# Altium PCB Distribution_amp_10Mhz.PcbDoc (part 2 of 2)
Units mm, origin at the board's own origin, x right, y up, seen from the top; angles counter-clockwise.
Board outline 100 x 82.75 mm, 2 copper layers (Top Layer, Bottom Layer), stack 1.671 mm thick; 125 components, 75 nets, 431 pads, 707 vias.
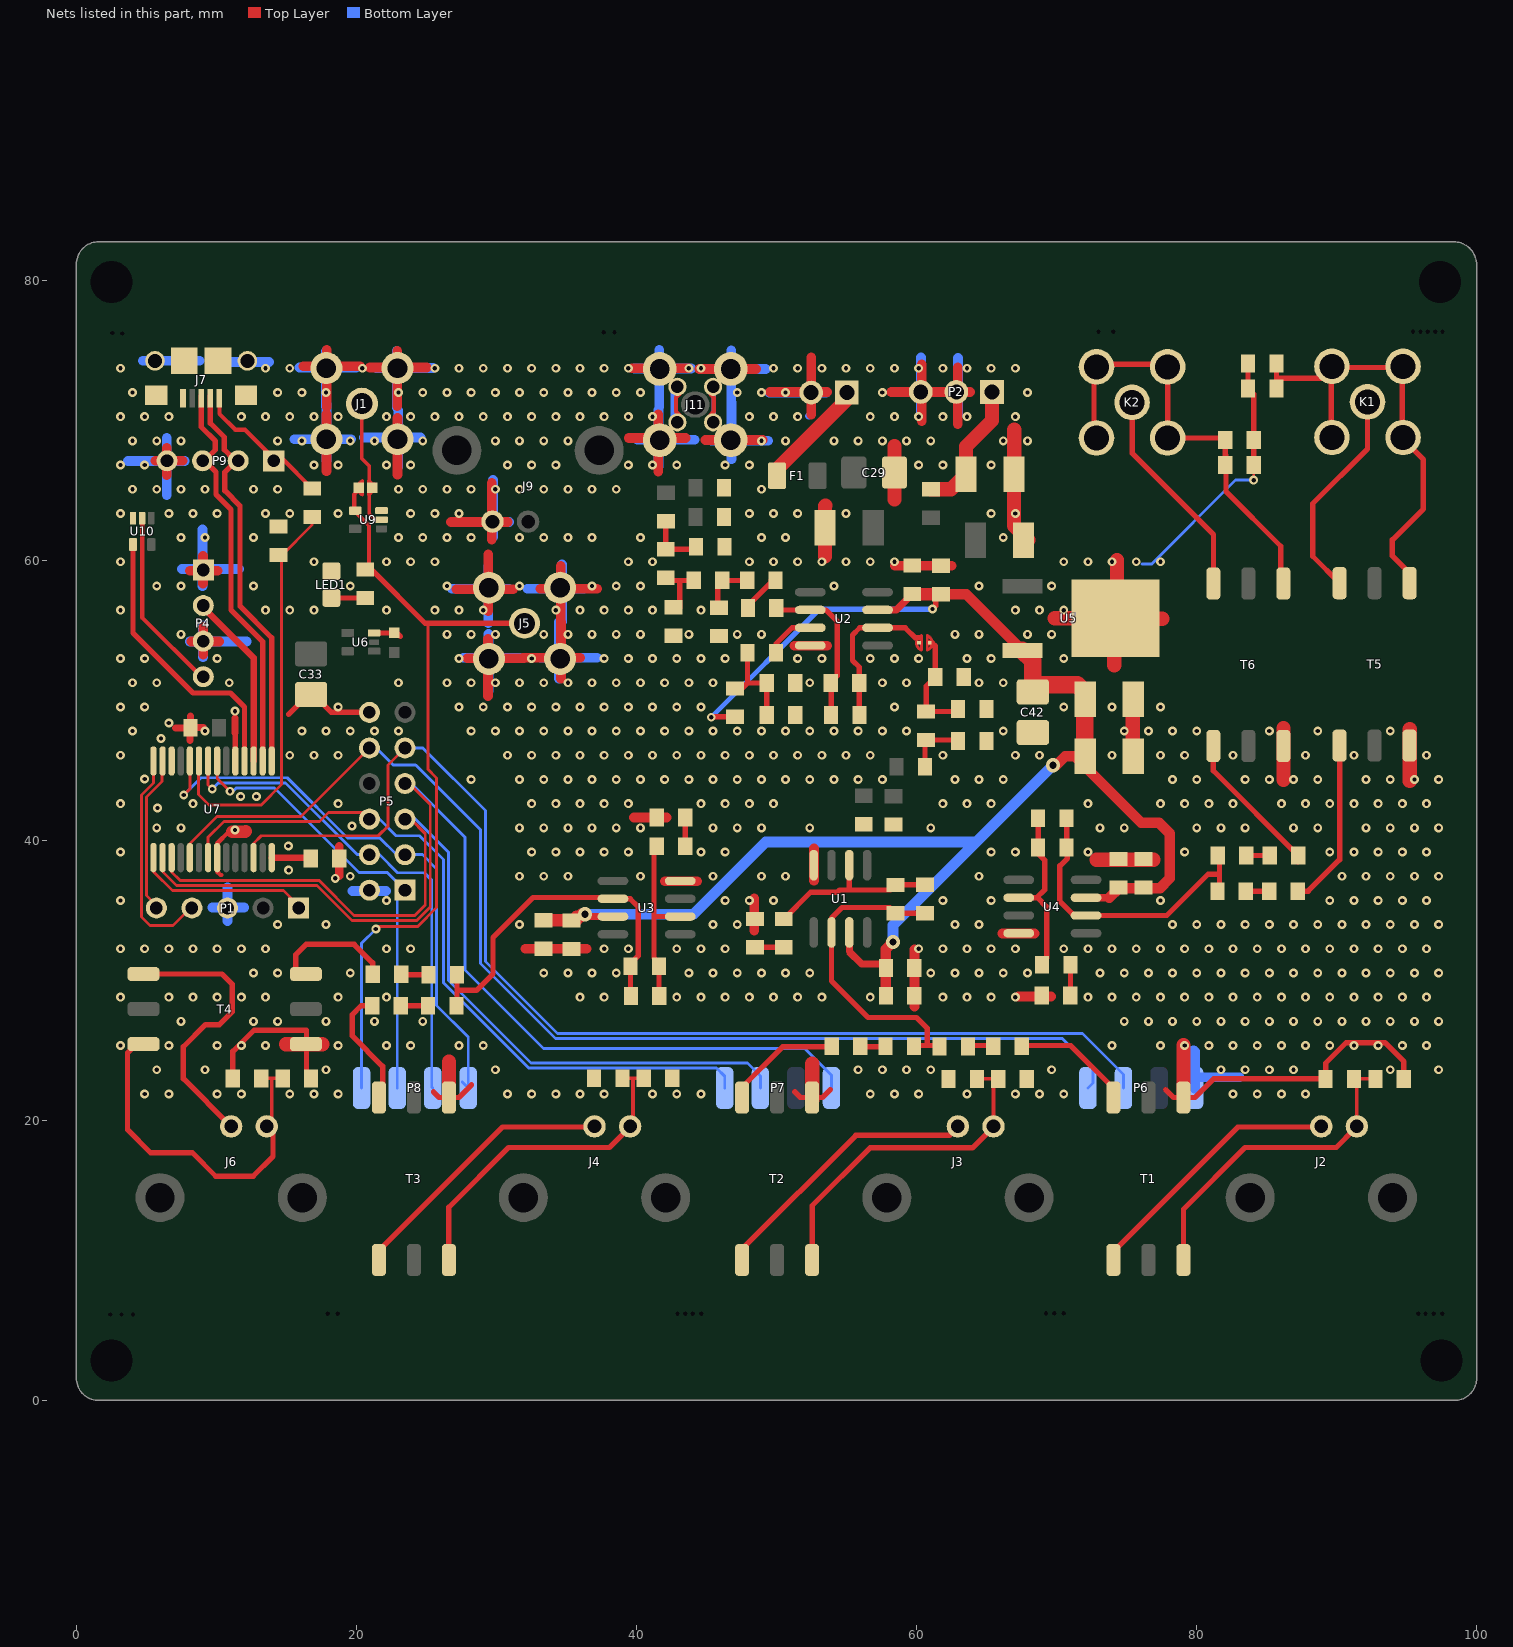
[diagram p2: the nets of this part, all layers, seen from the top]

## Via types
v1: diameter 0.635, hole 0.305, Top Layer to Bottom Layer, tented both sides, 701 vias
v2: diameter 1.016, hole 0.508, Top Layer to Bottom Layer, tented both sides, 4 vias
v3: diameter 0.914, hole 0.457, Top Layer to Bottom Layer, tented both sides, 1 vias
v4: diameter 0.965, hole 0.508, Top Layer to Bottom Layer, tented both sides, 1 vias

## Nets (pads, with @x,y where several pads share a name; then routed paths per layer and width w, separated by ;. In a path a pad name is that pad's centre, name@x,y a point inside that pad or via, vN(x,y) a via of type N, cw(c..) or ccw(c..) an arc to the next point about the centre after c; other vN are vias at no path point) (continued)
GND: C1.2 C2.2 C4.1 C7.2 C8.1 C9.1 C10.2 C12.2 C13.1 C16.2 C17.1 C18.2 C20.2 C21.1 C24.2 C25.1 C28.1 C29.2 C30.2 C31.1 C32.1 C33.2 C34.2 C35.2 C36.2 C37.1 C38.2 C39.2 C40.2 C41.1 C42.2 C43.2 C44.1 C45.1 C46.1 C47.1 J1.2 J1.3 J1.4 J1.5 J5.2 J5.3 J5.4 J5.5 J7.5 J7.6 J7.7 J7.8 J7.9 J9.2 J11.2 J11.3 J11.4 J11.5 LED1.K P1.3 P2.2 P2.3 P3.2 P4.1 P4.3 P5.2 P5.12 P6.4 P9.4 pad.0@42.926,72.39 pad.1@45.466,72.39 pad.2@45.466,69.85 pad.3@42.926,69.85 R2.1 R6.1 R7.1 R9.1 R13.1 R15.1 R19.1 R24.1 R26.1 R27.1 R28.1 T1.1 T2.1 T3.1 T4.1 T5.3 T6.3 U1.4 U2.4 U3.4 U4.4 U5.4 U6.3 U7.8 U7.19 U9.3 U10.3 | length 471.9
  Top Layer w0.203: v1(84.074,65.724) R19.1@84.078,66.806
  Top Layer w0.305: 7.061,48.071 7.097,48.035 ; 10.371,37.53 10.289,37.53 10.057,37.762 U7.8@10.057,38.768 10.057,39.79 10.897,40.629 v1@11.125,40.629 ; U7.19@11.354,45.672 U7.19@11.357,45.668 ; 18.771,37.454 18.821,37.403 ; pad.3@43.053,70.376 42.824,70.604 42.824,71.636 pad.0@43.053,71.864 ; pad.2@45.237,69.839 45.288,69.839 45.288,70.376 45.517,70.604 45.517,71.636 45.288,71.864 45.288,72.328 pad.1@45.237,72.379
  Top Layer w0.381: C17.1@11.176,23.001 11.176,24.932 12.686,26.441 16.421,26.441 16.434,26.428 16.434,23.332 R13.1@16.764,23.001 ; 11.328,47.97 11.354,47.944 U7.19@11.354,45.672 ; 15.152,48.997 C33.2@16.623,50.468 ; C33.2@16.739,50.609 18.21,49.138 P5.12@20.93,49.138 ; U6.3@21.264,54.806 22.9,54.806 23.143,54.563 ; 25.502,22.036 25.899,21.639 T3.1@26.605,21.639 27.314,21.639 28.219,22.544 ; C10.2@33.938,32.247 C12.2@35.716,32.247 ; 51.308,22.036 51.706,21.639 T2.1@52.542,21.639 53.273,21.639 53.848,22.214 ; C20.2@74.375,38.673 C18.2@76.153,38.673 ; 77.775,22.214 78.35,21.639 T1.1@79.06,21.639 79.883,21.639 81.21,22.965 R2.1@89.209,22.965 89.209,24.083 90.682,25.556 93.451,25.556 94.797,24.21 C4.1@94.797,22.965 ; R15.1@83.672,74.045 C21.1@83.672,72.267 84.078,71.86 C25.1@84.078,68.584 R19.1@84.078,66.806
  Top Layer w0.5: 7.097,48.035 C37.1@8.157,48.035 ; C37.1@8.037,48.057 v1@9.097,48.057 ; 8.128,47.128 C37.1@8.128,48.188 ; C37.1@8.153,47.814 8.153,48.874 ; 11.328,47.661 11.328,48.721
  Top Layer w0.6: 18.771,37.454 18.771,39.588
  Top Layer w0.7: 5.633,67.107 7.595,67.107 ; 6.452,66.065 6.452,68.027 ; 8.123,59.258 10.084,59.258 ; 8.23,54.204 10.191,54.204 ; 9.042,58.344 9.042,60.305 ; 9.068,53.264 9.068,55.225 ; 16.205,73.85 v1@20.269,73.85 ; 17.856,66.358 17.856,70.421 ; 17.882,70.942 17.882,75.006 ; 20.955,73.762 25.019,73.762 ; 22.911,70.993 22.911,74.955 ; 22.936,66.103 22.936,70.168 ; 26.746,62.738 30.81,62.738 ; 27.127,57.937 31.191,57.937 ; 27.915,53.01 31.979,53.01 ; 29.388,50.317 29.388,54.381 ; 29.413,56.363 29.413,60.427 ; 29.667,61.468 29.667,65.532 ; 31.902,53.035 35.966,53.035 ; 32.08,32.258 36.424,32.258 ; 33.122,57.963 37.186,57.963 ; 34.595,55.524 34.595,59.588 ; 34.62,51.537 34.62,55.601 ; 39.446,68.732 43.51,68.732 ; v1@39.675,73.711 v1(43.739,73.711) ; 39.827,41.631 42.139,41.631 ; 41.554,66.345 41.554,70.409 ; 42.012,37.084 44.323,37.084 ; v1@44.475,73.66 48.539,73.66 ; 44.933,68.58 v1@48.997,68.58 ; 48.412,33.553 48.412,35.865 ; 49.53,72.009 53.594,72.009 ; 51.283,53.899 53.594,53.899 ; 52.476,70.409 52.476,74.473 ; 52.68,37.109 52.68,39.421 ; 58.191,72.023 63.809,72.023 ; v1@58.445,59.614 62.509,59.614 ; 59.842,28.143 v1@59.842,32.207 ; 60.376,69.926 60.376,73.99 ; 62.941,69.723 62.941,73.787 ; 66.116,33.35 68.428,33.35 ; v1@67.285,28.854 69.596,28.854
  Top Layer w0.889: v1@11.125,40.629 12.067,40.629 12.09,40.653
  Top Layer w1.016: 14.976,25.436 17.567,25.436 ; T3.1@26.604,21.6 26.604,24.191 ; T2.1@52.553,21.463 52.553,24.054 ; 53.467,60.274 C30.2@53.467,62.332 53.467,63.881 53.492,63.906 ; 58.422,64.336 C29.2@58.422,66.269 58.422,68.146 ; C39.2@66.954,66.142 66.954,62.459 C38.2@67.97,61.443 ; C39.2@66.98,65.634 66.98,69.317 ; 69.875,55.855 U5.4@73.558,55.855 ; 72.847,38.608 76.911,38.608 ; U5.4@73.863,55.829 77.546,55.829 ; 74.117,52.502 U5.4@74.117,56.185 ; U5.4@74.32,56.337 74.32,60.02 ; C43.2@75.438,46.507 C40.2@75.438,50.571 ; T1.1@79.07,21.692 v1@79.07,25.375 ; 86.208,44.323 86.208,48.006 ; 95.225,44.247 95.225,47.93
  Bottom Layer w0.203: 76.098,59.741 76.795,59.741 82.779,65.724 v1(84.074,65.724)
  Bottom Layer w0.305: pad.3@42.697,69.839 42.596,69.941 42.596,72.277 pad.0@42.697,72.379 ; pad.2@45.237,69.839 45.517,70.118 45.517,72.1 pad.1@45.237,72.379
  Bottom Layer w0.508: 52.299,70.296 52.476,70.474 P3.2@52.476,71.973 52.476,73.852 52.502,73.878 ; 58.801,71.973 58.852,72.023 P2.3@60.3,72.023 P2.2@62.84,72.023 62.84,73.395 62.916,73.471
  Bottom Layer w0.7: 3.683,67.081 7.747,67.081 ; 4.75,74.244 8.814,74.244 ; 6.452,64.668 6.452,68.732 ; 7.544,59.385 11.608,59.385 ; 8.103,54.204 12.167,54.204 ; 9.017,58.141 9.017,62.205 ; 9.042,53.075 9.042,55.367 ; 9.703,35.204 11.989,35.204 ; 9.703,74.168 13.767,74.168 ; 10.795,34.239 10.795,36.652 ; 15.57,68.644 v1@19.634,68.644 ; 15.926,73.762 19.99,73.762 ; 17.831,70.968 17.831,74.93 ; 17.856,67.12 17.856,71.183 ; 19.71,36.373 22.123,36.373 ; 20.523,68.77 v1@24.587,68.77 ; 21.412,73.724 v1@25.476,73.724 ; 22.885,70.891 22.885,74.955 ; 22.987,66.65 22.987,70.714 ; 26.822,57.963 30.886,57.963 ; 26.822,62.738 30.886,62.738 ; v1@27.635,53.035 31.699,53.035 ; 29.413,55.524 29.413,59.588 ; 29.439,50.673 29.439,54.737 ; 29.743,61.671 29.743,65.735 ; 32.207,57.963 36.271,57.963 ; 33.122,53.035 37.186,53.035 ; 34.468,51.537 34.468,55.601 ; 34.671,55.626 34.671,59.69 ; 39.853,73.685 v1@43.917,73.685 ; 40.081,68.605 44.145,68.605 ; 41.58,66.675 41.58,70.739 ; 41.631,70.942 41.631,75.006 ; 45.161,73.66 49.225,73.66 ; 45.339,68.529 49.403,68.529 ; 46.761,70.917 46.761,74.981 ; 46.787,67.208 46.787,71.272 ; 49.479,71.958 53.543,71.958 ; v1@60.325,70.409 60.325,74.473 ; 62.967,70.372 62.967,74.436 ; 78.994,23.089 83.058,23.089
  Bottom Layer w0.762: 79.781,24.983 79.858,24.906 P6.4@79.858,22.316
  other v1: 4.877,21.895 6.604,21.895 10.058,21.895 11.786,21.895 15.24,21.895 16.967,21.895 18.694,21.895 30.785,21.895 32.512,21.895 34.239,21.895 35.966,21.895 37.694,21.895 41.148,21.895 42.875,21.895 44.602,21.895 56.693,21.895 58.42,21.895 60.147,21.895 63.602,21.895 67.056,21.895 68.783,21.895 70.51,21.895 82.601,21.895 84.328,21.895 86.055,21.895 87.782,21.895 5.74,23.622 9.195,23.622 17.831,23.622 29.921,23.622 55.829,23.622 57.556,23.622 59.284,23.622 61.011,23.622 69.647,23.622 81.737,23.622 83.464,23.622 85.192,23.622 86.919,23.622 93.828,23.622 97.282,23.622 3.15,25.349 6.604,25.349 10.058,25.349 11.786,25.349 13.513,25.349 18.694,25.349 22.149,25.349 23.876,25.349 27.33,25.349 29.058,25.349 73.965,25.349 77.419,25.349 79.146,25.349 80.874,25.349 82.601,25.349 84.328,25.349 86.055,25.349 87.782,25.349 89.51,25.349 91.237,25.349 92.964,25.349 94.691,25.349 96.418,25.349 7.468,27.076 12.649,27.076 14.376,27.076 17.831,27.076 21.285,27.076 24.74,27.076 74.828,27.076 76.556,27.076 78.283,27.076 80.01,27.076 81.737,27.076 83.464,27.076 85.192,27.076 86.919,27.076 88.646,27.076 90.373,27.076 92.1,27.076 93.828,27.076 95.555,27.076 97.282,27.076 3.15,28.804 6.604,28.804 8.331,28.804 10.058,28.804 11.786,28.804 13.513,28.804 18.694,28.804 22.149,28.804 35.966,28.804 37.694,28.804 42.875,28.804 44.602,28.804 46.33,28.804 48.057,28.804 49.784,28.804 51.511,28.804 53.238,28.804 56.693,28.804 61.874,28.804 63.602,28.804 65.329,28.804 67.056,28.804 72.238,28.804 73.965,28.804 75.692,28.804 77.419,28.804 79.146,28.804 80.874,28.804 82.601,28.804 84.328,28.804 86.055,28.804 87.782,28.804 89.51,28.804 91.237,28.804 92.964,28.804 94.691,28.804 96.418,28.804 12.649,30.531 14.376,30.531 19.558,30.531 33.376,30.531 35.103,30.531 36.83,30.531 38.557,30.531 43.739,30.531 45.466,30.531 47.193,30.531 48.92,30.531 50.648,30.531 52.375,30.531 61.011,30.531 62.738,30.531 64.465,30.531 66.192,30.531 67.92,30.531 73.101,30.531 74.828,30.531 76.556,30.531 78.283,30.531 80.01,30.531 81.737,30.531 83.464,30.531 85.192,30.531 86.919,30.531 88.646,30.531 90.373,30.531 92.1,30.531 93.828,30.531 95.555,30.531 97.282,30.531 3.15,32.258 4.877,32.258 6.604,32.258 8.331,32.258 10.058,32.258 11.786,32.258 13.513,32.258 22.149,32.258 23.876,32.258 37.694,32.258 39.421,32.258 42.875,32.258 44.602,32.258 46.33,32.258 60.147,32.258 61.874,32.258 63.602,32.258 65.329,32.258 67.056,32.258 70.51,32.258 72.238,32.258 73.965,32.258 75.692,32.258 77.419,32.258 79.146,32.258 80.874,32.258 82.601,32.258 84.328,32.258 86.055,32.258 87.782,32.258 89.51,32.258 91.237,32.258 92.964,32.258 94.691,32.258 96.418,32.258 14.376,33.985 17.831,33.985 31.648,33.985 45.466,33.985 47.193,33.985 62.738,33.985 64.465,33.985 78.283,33.985 80.01,33.985 81.737,33.985 83.464,33.985 85.192,33.985 86.919,33.985 88.646,33.985 90.373,33.985 92.1,33.985 93.828,33.985 95.555,33.985 97.282,33.985 3.15,35.712 22.149,35.712 46.33,35.712 48.057,35.712 49.784,35.712 61.874,35.712 65.329,35.712 77.419,35.712 89.51,35.712 91.237,35.712 92.964,35.712 94.691,35.712 96.418,35.712 18.491,37.287 19.558,37.44 31.648,37.44 33.376,37.44 35.103,37.44 40.284,37.44 45.466,37.44 48.92,37.44 50.648,37.44 64.465,37.44 90.373,37.44 92.1,37.44 93.828,37.44 95.555,37.44 97.282,37.44 15.164,37.871 3.15,39.167 32.512,39.167 34.239,39.167 35.966,39.167 37.694,39.167 39.421,39.167 44.602,39.167 46.33,39.167 65.329,39.167 67.056,39.167 72.238,39.167 79.146,39.167 89.51,39.167 91.237,39.167 92.964,39.167 94.691,39.167 96.418,39.167 15.138,39.599 11.328,40.742 5.74,40.894 7.468,40.894 31.648,40.894 33.376,40.894 35.103,40.894 36.83,40.894 38.557,40.894 40.284,40.894 45.466,40.894 47.193,40.894 48.92,40.894 52.375,40.894 61.011,40.894 73.101,40.894 74.828,40.894 80.01,40.894 81.737,40.894 83.464,40.894 86.919,40.894 88.646,40.894 92.1,40.894 93.828,40.894 95.555,40.894 97.282,40.894 19.685,41.021 5.791,42.316 3.15,42.621 8.331,42.621 18.694,42.621 32.512,42.621 34.239,42.621 35.966,42.621 37.694,42.621 39.421,42.621 44.602,42.621 46.33,42.621 48.057,42.621 49.784,42.621 61.874,42.621 63.602,42.621 65.329,42.621 72.238,42.621 77.419,42.621 79.146,42.621 80.874,42.621 82.601,42.621 86.055,42.621 87.782,42.621 89.51,42.621 91.237,42.621 92.964,42.621 94.691,42.621 96.418,42.621 11.735,43.129 12.852,43.129 28.194,44.348 31.648,44.348 33.376,44.348 35.103,44.348 36.83,44.348 38.557,44.348 40.284,44.348 42.012,44.348 43.739,44.348 45.466,44.348 47.193,44.348 48.92,44.348 50.648,44.348 52.375,44.348 54.102,44.348 55.829,44.348 57.556,44.348 62.738,44.348 64.465,44.348 66.192,44.348 78.283,44.348 80.01,44.348 83.464,44.348 85.192,44.348 86.919,44.348 88.646,44.348 92.1,44.348 93.828,44.348 95.555,44.348 97.282,44.348 4.877,44.374 3.15,46.076 15.24,46.076 16.967,46.076 18.694,46.076 30.785,46.076 32.512,46.076 34.239,46.076 35.966,46.076 37.694,46.076 39.421,46.076 41.148,46.076 42.875,46.076 44.602,46.076 46.33,46.076 48.057,46.076 49.784,46.076 51.511,46.076 53.238,46.076 54.966,46.076 56.693,46.076 61.874,46.076 67.056,46.076 68.783,46.076 73.965,46.076 77.419,46.076 79.146,46.076 82.601,46.076 87.782,46.076 91.237,46.076 96.418,46.076 6.045,47.269 4.013,47.803 9.195,47.803 16.104,47.803 17.831,47.803 19.558,47.803 21.285,47.803 23.012,47.803 28.194,47.803 29.921,47.803 31.648,47.803 33.376,47.803 35.103,47.803 36.83,47.803 38.557,47.803 40.284,47.803 42.012,47.803 43.739,47.803 45.466,47.803 47.193,47.803 48.92,47.803 50.648,47.803 52.375,47.803 54.102,47.803 55.829,47.803 57.556,47.803 59.284,47.803 66.192,47.803 74.828,47.803 76.556,47.803 78.283,47.803 80.01,47.803 85.192,47.803 88.646,47.803 93.828,47.803 6.604,48.387 11.328,49.225 3.15,49.53 4.877,49.53 18.694,49.53 27.33,49.53 29.058,49.53 30.785,49.53 32.512,49.53 34.239,49.53 35.966,49.53 37.694,49.53 39.421,49.53 41.148,49.53 42.875,49.53 44.602,49.53 58.42,49.53 70.51,49.53 73.965,49.53 77.419,49.53 4.013,51.257 5.74,51.257 10.922,51.257 23.012,51.257 26.467,51.257 28.194,51.257 29.921,51.257 31.648,51.257 33.376,51.257 35.103,51.257 36.83,51.257 38.557,51.257 40.284,51.257 42.012,51.257 43.739,51.257 45.466,51.257 52.375,51.257 57.556,51.257 59.284,51.257 64.465,51.257 66.192,51.257 3.15,52.984 4.877,52.984 10.058,52.984 27.33,52.984 32.512,52.984 37.694,52.984 39.421,52.984 41.148,52.984 42.875,52.984 44.602,52.984 46.33,52.984 51.511,52.984 53.238,52.984 56.693,52.984 58.42,52.984 60.147,52.984 63.602,52.984 65.329,52.984 70.51,52.984 7.468,54.712 26.467,54.712 28.194,54.712 29.921,54.712 33.376,54.712 35.103,54.712 36.83,54.712 38.557,54.712 40.284,54.712 43.739,54.712 47.193,54.712 48.92,54.712 62.738,54.712 64.465,54.712 67.92,54.712 69.647,54.712 3.15,56.439 13.513,56.439 15.24,56.439 16.967,56.439 22.149,56.439 25.603,56.439 27.33,56.439 29.058,56.439 34.239,56.439 35.966,56.439 37.694,56.439 39.421,56.439 41.148,56.439 44.602,56.439 67.056,56.439 68.783,56.439 70.51,56.439 5.74,58.166 7.468,58.166 12.649,58.166 19.558,58.166 26.467,58.166 31.648,58.166 36.83,58.166 38.557,58.166 40.284,58.166 54.102,58.166 64.465,58.166 69.647,58.166 3.15,59.893 16.967,59.893 22.149,59.893 23.876,59.893 25.603,59.893 39.421,59.893 41.148,59.893 48.057,59.893 49.784,59.893 51.511,59.893 53.238,59.893 54.966,59.893 56.693,59.893 58.42,59.893 70.51,59.893 72.238,59.893 73.965,59.893 75.692,59.893 77.419,59.893 7.468,61.62 9.195,61.62 12.649,61.62 23.012,61.62 24.74,61.62 26.467,61.62 28.194,61.62 31.648,61.62 33.376,61.62 35.103,61.62 36.83,61.62 40.284,61.62 48.92,61.62 50.648,61.62 66.192,61.62 3.15,63.348 6.604,63.348 8.331,63.348 10.058,63.348 13.513,63.348 15.24,63.348 18.694,63.348 23.876,63.348 25.603,63.348 27.33,63.348 48.057,63.348 49.784,63.348 51.511,63.348 54.966,63.348 65.329,63.348 67.056,63.348 4.013,65.075 5.74,65.075 7.468,65.075 9.195,65.075 12.649,65.075 14.376,65.075 23.012,65.075 24.74,65.075 26.467,65.075 28.194,65.075 29.921,65.075 31.648,65.075 33.376,65.075 35.103,65.075 36.83,65.075 38.557,65.075 48.92,65.075 3.15,66.802 4.877,66.802 16.967,66.802 18.694,66.802 22.149,66.802 23.876,66.802 30.785,66.802 32.512,66.802 34.239,66.802 39.421,66.802 41.148,66.802 42.875,66.802 46.33,66.802 48.057,66.802 60.147,66.802 61.874,66.802 65.329,66.802 4.013,68.529 5.74,68.529 7.468,68.529 14.376,68.529 16.104,68.529 19.558,68.529 21.285,68.529 24.74,68.529 29.921,68.529 31.648,68.529 33.376,68.529 35.103,68.529 48.92,68.529 50.648,68.529 54.102,68.529 55.829,68.529 57.556,68.529 59.284,68.529 61.011,68.529 66.192,68.529 67.92,68.529 3.15,70.256 4.877,70.256 6.604,70.256 11.786,70.256 13.513,70.256 15.24,70.256 16.967,70.256 18.694,70.256 22.149,70.256 23.876,70.256 25.603,70.256 27.33,70.256 29.058,70.256 30.785,70.256 32.512,70.256 34.239,70.256 35.966,70.256 37.694,70.256 39.421,70.256 41.148,70.256 48.057,70.256 49.784,70.256 51.511,70.256 56.693,70.256 58.42,70.256 60.147,70.256 61.874,70.256 63.602,70.256 67.056,70.256 4.013,71.984 14.376,71.984 16.104,71.984 17.831,71.984 23.012,71.984 24.74,71.984 26.467,71.984 28.194,71.984 29.921,71.984 31.648,71.984 33.376,71.984 35.103,71.984 36.83,71.984 38.557,71.984 40.284,71.984 47.193,71.984 48.92,71.984 50.648,71.984 57.556,71.984 67.92,71.984 3.15,73.711 13.513,73.711 15.24,73.711 20.422,73.711 25.603,73.711 27.33,73.711 29.058,73.711 30.785,73.711 32.512,73.711 34.239,73.711 35.966,73.711 37.694,73.711 39.421,73.711 44.602,73.711 49.784,73.711 51.511,73.711 53.238,73.711 54.966,73.711 56.693,73.711 58.42,73.711 60.147,73.711 61.874,73.711 63.602,73.711 65.329,73.711 67.056,73.711
KEY1: P5.10 P6.1 U7.5 | length 84.9
  Top Layer w0.203: U7.5@8.107,38.768 8.107,39.77 10.044,41.707 16.038,41.707 P5.10@20.93,46.598
  Bottom Layer w0.203: P5.10@20.93,46.598 21.412,46.598 22.631,45.379 24.232,45.379 28.854,40.756 28.854,31.206 34.214,25.846 70.409,25.846 72.593,23.662 72.593,22.671 P6.1@72.238,22.316
KEY2: P5.9 P6.2 U7.12 | length 85.4
  Top Layer w0.203: U7.12@12.657,38.768 12.657,39.773 13.208,40.324 21.565,40.324 22.25,41.01 22.25,45.379 P5.9@23.47,46.598
  Bottom Layer w0.203: P5.9@23.47,46.598 24.74,46.598 29.21,42.128 29.21,31.353 34.361,26.202 71.857,26.202 74.778,23.281 P6.2@74.778,22.316
M10: P5.7 P7.4 U7.2 | length 77.2
  Top Layer w0.203: U7.2@6.157,38.768 6.157,37.774 7.163,36.768 17.196,36.768 19.685,34.279 24.313,34.279 25.273,35.239 25.273,42.559 23.774,44.058 P5.7@23.47,44.058
  Bottom Layer w0.203: P5.7@23.47,44.058 23.927,44.058 27.762,40.223 27.762,30.743 33.37,25.135 52.019,25.135 53.924,23.23 P7.4@53.924,22.316
NetC3_1: C3.1 R1.2 | length 1.5
  Top Layer w0.381: R1.2@63.682,25.353 C3.1@65.231,25.353
NetC3_2: C3.2 T1.3 | length 9.5
  Top Layer w0.381: C3.2@67.263,25.353 71.004,25.353 74.06,22.297 T1.3@74.06,21.639 T1.3@74.06,20.815
NetC4_2: C4.2 J2.2 R2.2 T1.6 | length 24.3
  Top Layer w0.254: T1.6@79.06,9.215 T1.6@79.06,10.039 ; J2.2@91.288,19.38 91.444,19.536 J2.2@91.444,19.572 91.444,22.762 R2.2@91.241,22.965 C4.2@92.765,22.965
  Top Layer w0.381: T1.6@79.06,10.039 79.06,13.654 83.468,18.063 89.971,18.063 J2.2@91.288,19.38
NetC5_1: C5.1 R3.1 R4.2 U1.2 | length 12.5
  Top Layer w0.381: R4.2@50.521,34.392 52.426,36.297 54.356,36.297 54.508,36.449 55.194,36.449 ; U1.2@55.198,38.229 55.198,36.453 55.194,36.449 ; C5.1@60.278,36.819 R3.1@58.5,36.819 58.13,36.449 55.194,36.449
NetC5_2: C5.2 R1.1 R3.2 R5.1 U1.6 | length 22.7
  Top Layer w0.381: R5.1@59.817,25.298 59.871,25.353 60.774,25.353 ; R5.1@59.872,24.896 R5.1@59.897,24.921 ; C5.2@60.278,34.787 R3.2@58.5,34.787 58.083,35.204 54.686,35.204 53.928,34.446 U1.6@53.928,33.429 53.928,29.968 56.54,27.356 59.995,27.356 60.774,26.577 60.774,25.353 ; R1.1@61.65,25.353 60.774,25.353
NetC6_1: C6.1 R5.2 | length 1.8
  Top Layer w0.381: C6.1@55.982,25.273 57.76,25.273 R5.2@57.785,25.298
NetC6_2: C6.2 T2.3 | length 9.5
  Top Layer w0.381: T2.3@47.542,20.815 47.549,20.822 47.549,22.366 50.455,25.273 C6.2@53.95,25.273 ; C6.2@53.95,24.896 C6.2@54.284,24.896
NetC7_1: C7.1 R4.1 | length 1.8
  Top Layer w0.381: C7.1@48.743,32.36 R4.1@50.521,32.36
NetC8_2: C8.2 J3.2 R6.2 T2.6 | length 25.1
  Top Layer w0.254: T2.6@52.542,9.215 T2.6@52.542,10.039 ; C8.2@64.317,22.965 R6.2@65.841,22.965 65.494,22.618 J3.2@65.494,19.572 J3.2@65.494,19.536
  Top Layer w0.381: T2.6@52.542,10.039 52.542,13.908 56.671,18.038 63.995,18.038 J3.2@65.494,19.536
NetC9_2: C9.2 R20.2 R28.2 R33.1 | length 6.9
  Top Layer w0.381: R33.1@47.041,50.851 47.549,50.851 47.93,51.232 ; R20.2@47.93,53.391 47.93,51.232 ; R28.2@49.301,48.946 C9.2@49.301,51.232 47.93,51.232
NetC11_1: C11.1 R8.2 | length 2
  Top Layer w0.381: C11.1@23.165,28.194 R8.2@25.121,28.194
NetC11_2: C11.2 T3.3 | length 8.6
  Top Layer w0.381: C11.2@21.133,28.194 20.345,28.194 19.71,27.559 19.71,26.024 21.869,23.865 21.869,21.903 T3.3@21.605,21.639
NetC13_2: C13.2 J4.2 R9.2 T3.6 | length 25
  Top Layer w0.254: T3.6@26.482,9.215 T3.6@26.482,10.039 ; C13.2@38.993,23.016 39.751,23.016 J4.2@39.751,19.744 ; 39.776,23.016 R9.2@40.517,23.016
  Top Layer w0.381: T3.6@26.605,10.039 26.605,13.803 30.865,18.063 38.07,18.063 J4.2@39.751,19.744
NetC14_1: C14.1 R11.2 | length 2
  Top Layer w0.381: C14.1@23.194,30.433 23.223,30.404 R11.2@25.146,30.404
NetC14_2: C14.2 T4.3 | length 8.9
  Top Layer w0.381: T4.3@15.884,30.454 15.559,30.454 15.672,30.567 15.672,31.841 16.408,32.577 19.837,32.577 21.162,31.252 C14.2@21.162,30.433
NetC15_1: C15.1 R10.1 R12.2 U3.2 | length 12.3
  Top Layer w0.381: R10.1@41.609,29.225 C15.1@41.609,31.003 ; C15.1@41.635,31.231 41.25,31.616 41.25,34.442 ; R12.2@41.66,39.461 41.25,39.05 41.25,34.442 ; U3.2@43.12,34.559 41.366,34.559 41.25,34.442
NetC15_2: C15.2 R8.1 R10.2 R11.1 U3.6 | length 25.7
  Top Layer w0.381: R8.1@27.153,28.194 27.178,28.219 27.178,29.286 ; R11.1@27.178,30.404 27.178,29.286 ; R10.2@39.577,29.225 C15.2@39.577,31.003 ; C15.2@39.603,31.231 40.136,31.765 40.136,35.244 39.552,35.829 U3.6@38.32,35.829 38.233,35.916 32.614,35.916 29.756,33.058 29.756,30.467 28.575,29.286 27.178,29.286
NetC16_1: C16.1 R12.1 | length 2.1
  Top Layer w0.381: R12.1@43.485,39.573 C16.1@43.485,41.631
NetC17_2: C17.2 J6.2 R13.2 T4.6 | length 26.7
  Top Layer w0.254: C17.2@13.208,23.001 13.945,23.001 ; J6.2@13.593,19.536 13.945,19.888 13.945,23.001 ; R13.2@14.732,23.001 13.945,23.001
  Top Layer w0.381: T4.6@4.792,25.454 4.284,25.454 3.658,24.828 3.658,19.344 5.309,17.693 8.28,17.693 9.957,16.016 12.624,16.016 14.046,17.439 14.046,19.083 J6.2@13.593,19.536
NetC19_1: C19.1 R14.2 | length 1.5
  Top Layer w0.381: R14.2@83.668,36.373 C19.1@85.192,36.373
NetC19_2: C19.2 T5.1 | length 12.1
  Top Layer w0.381: C19.2@87.224,36.373 87.96,36.373 90.21,38.623 T5.1@90.21,46.767
NetC21_2: C21.2 K1.2 K1.3 K1.4 K1.5 R15.2 T5.4 | length 33.6
  Top Layer w0.381: C21.2@85.704,72.267 R15.2@85.704,74.045 ; 85.729,73.003 88.853,73.003 K1.4@89.615,73.765 ; K1.5@89.615,68.685 K1.4@89.615,73.765 ; T5.4@95.21,58.367 95.21,59.084 93.98,60.314 93.98,61.457 96.19,63.667 96.19,67.191 94.695,68.685 94.695,73.765 K1.4@89.615,73.765
NetC22_1: C22.1 R17.2 | length 1.5
  Top Layer w0.381: R17.2@83.693,38.913 C22.1@85.217,38.913
NetC22_2: C22.2 T6.1 | length 10.7
  Top Layer w0.381: T6.1@81.193,46.742 81.193,44.969 C22.2@87.249,38.913 ; C22.2@87.147,38.811 87.224,38.735 C22.2@87.224,38.456
NetC23_1: C23.1 R16.1 R18.2 U4.2 | length 12.3
  Top Layer w0.381: U4.2@67.302,35.905 68.584,35.905 ; R16.1@68.656,41.58 68.682,41.554 C23.1@68.682,39.421 ; C23.1@68.736,39.421 68.736,39.004 69.143,38.597 69.143,36.464 68.584,35.905 ; R18.2@69.092,31.409 69.291,31.608 69.291,35.255 68.642,35.905 68.584,35.905
NetC23_2: C23.2 R14.1 R16.2 R17.1 U4.6 | length 21
  Top Layer w0.381: R16.2@70.688,41.58 70.714,41.554 C23.2@70.714,39.421 ; C23.2@70.768,39.421 70.768,38.714 70.231,38.176 70.231,35.636 71.232,34.635 U4.6@72.102,34.635 77.866,34.635 80.812,37.581 81.636,37.581 ; R14.1@81.64,36.692 81.636,36.696 81.636,37.581 ; R17.1@81.64,38.47 81.636,38.466 81.636,38.456 81.636,37.581
NetC24_1: C24.1 R18.1 | length 2.2
  Top Layer w0.381: C24.1@70.968,28.931 70.993,28.956 R18.1@70.993,31.115
NetC25_2: C25.2 K2.2 K2.3 K2.4 K2.5 R19.2 T6.4 | length 31.5
  Top Layer w0.381: K2.3@72.673,68.914 72.673,73.994 K2.5@77.753,73.994 ; K2.5@77.931,73.816 K2.4@77.931,68.736 C25.2@82.061,68.736 ; C25.2@82.035,67.999 82.046,68.01 R19.2@82.046,66.806 R19.2@82.067,66.784 ; 82.093,67.521 82.093,64.911 86.004,61 86.004,58.53 T6.4@86.193,58.342
NetC26_1: C26.1 C45.2 L1.2 | length 3.7
  Top Layer w0.381: C45.2@45.796,56.606 45.796,58.46 45.898,58.561 47.589,58.561 C26.1@47.6,58.572
NetC26_2: C26.2 R22.1 | length 2.8
  Top Layer w0.381: R22.1@47.777,56.58 49.632,58.434 C26.2@49.632,58.572
NetC27_1: C27.1 R22.2 R23.1 U2.2 | length 11.7
  Top Layer w0.381: R22.2@49.886,56.453 U2.2@52.413,56.453 53.529,56.453 54.331,55.651 54.331,51.754 53.873,51.297 53.899,51.272 C27.1@53.899,48.946
NetC27_2: C27.2 J8.1 R23.2 U2.6 | length 10.7
  Top Layer w0.381: C27.2@55.905,49.519 55.905,51.297 55.905,52.375 55.423,52.857 55.423,54.661 55.945,55.183 U2.6@57.213,55.183 59.189,55.183 59.915,54.457 60.245,54.457
NetC31_2: C31.2 L2.2 L3.1 | length 4
  Top Layer w0.381: L2.2@42.113,62.535 42.088,62.509 L3.1@42.088,60.782 44.069,60.782 C31.2@44.247,60.96
NetC36_1: C36.1 U7.14 | length 2.8
  Top Layer w0.457: U7.14@13.957,38.768 16.669,38.768 C36.1@16.739,38.699
NetC41_2: C41.2 J8.2 L4.1 R7.2 | length 7.8
  Top Layer w0.381: J8.2@60.935,54.102 61.112,54.102 61.341,53.873 R7.2@61.341,51.664 60.681,51.003 L4.1@60.681,49.2 62.789,49.2 C41.2@62.967,49.378
NetC44_2: C44.2 L1.1 L3.2 | length 3.8
  Top Layer w0.381: L3.2@42.012,58.561 43.053,58.561 ; C44.2@43.078,56.606 43.078,58.536 43.053,58.561 ; L1.1@43.866,58.561 43.053,58.561
NetC46_2: C46.2 L4.2 L5.1 | length 4.2
  Top Layer w0.381: L5.1@60.604,45.263 60.604,47.092 L4.2@60.681,47.168 62.865,47.168 C46.2@62.941,47.092
NetF1_2: F1.2 P3.1 | length 8.2
  Top Layer w1.016: F1.2@50.036,66.04 50.036,66.495 55.016,71.476 P3.1@55.016,71.973 P3.1@55.146,71.843
NetJ1_1: J1.1 J10.2 U9.2 | length 9.3
  Top Layer w0.254: J1.1@20.396,71.183 20.396,67.259 20.93,66.726 20.93,65.532 21.046,65.416 J10.2@21.308,65.416 ; J10.2@21.133,65.176 20.904,64.948 20.904,64.679 20.904,63.322 21.336,62.89 U9.2@21.793,62.89
NetJ2_1: J2.1 T1.4 | length 20
  Top Layer w0.254: T1.4@74.06,9.215 T1.4@74.06,10.039
  Top Layer w0.381: T1.4@74.06,10.039 74.06,10.65 82.946,19.536 J2.1@88.904,19.536
NetJ3_1: J3.1 T2.4 | length 20.6
  Top Layer w0.254: T2.4@47.542,9.215 T2.4@47.542,10.039
  Top Layer w0.381: T2.4@47.542,10.039 47.542,10.814 55.666,18.937 62.355,18.937 J3.1@62.954,19.536
NetJ4_1: J4.1 T3.4 | length 19.8
  Top Layer w0.254: T3.4@21.482,10.052 T3.4@21.537,10.106
  Top Layer w0.381: T3.4@21.605,10.039 21.605,10.697 30.444,19.536 J4.1@37.003,19.536
NetJ6_1: J6.1 T4.4 | length 20.9
  Top Layer w0.254: T4.4@4.284,30.454 4.527,30.698 T4.4@4.792,30.698 ; J6.1@11.035,19.554 J6.1@11.053,19.536
  Top Layer w0.381: T4.4@4.792,30.454 10.403,30.454 11.125,29.732 11.125,27.751 10.211,26.837 9.22,26.837 7.645,25.262 7.645,22.98 J6.1@11.053,19.572
NetK1_1: K1.1 T5.6 | length 15.4
  Top Layer w0.381: T5.6@90.21,58.367 88.29,60.287 88.29,64.048 92.202,67.959 K1.1@92.202,71.312
NetK2_1: K2.1 T6.6 | length 15.3
  Top Layer w0.381: K2.1@75.391,71.276 75.391,67.651 81.204,61.838 81.204,58.352 T6.6@81.193,58.342
NetLED1_A: LED1.A R21.1 | length 2.4
  Top Layer w0.381: LED1.A@18.212,57.315 18.224,57.302 R21.1@20.625,57.302
NetR20_1: R20.1 U2.3 | length 3.6
  Top Layer w0.381: R20.1@49.962,53.391 49.962,54.04 51.105,55.183 U2.3@52.413,55.183
NetU7_18: U7.18 U10.4 | length 20.3
  Top Layer w0.381: U10.4@4.049,61.127 4.049,54.803 8.331,50.521 10.998,50.521 12.007,49.512 U7.18@12.007,45.668
OSC: P5.5 P7.2 U7.3 | length 67.4
  Top Layer w0.203: U7.3@6.807,38.768 6.807,37.733 7.417,37.124 17.343,37.124 19.832,34.635 24.166,34.635 24.917,35.386 24.917,40.477 23.876,41.518 P5.5@23.47,41.518
  Bottom Layer w0.203: P5.5@23.927,41.518 P5.5@23.47,41.518 24.206,41.518 26.568,39.156 26.568,29.981 32.456,24.094 47.93,24.094 48.844,23.179 P7.2@48.844,22.316
PGC: P1.5 U7.27 | length 11
  Top Layer w0.203: P1.5@5.643,35.411 5.004,36.05 5.004,43.093 6.121,44.21 6.121,45.633 U7.27@6.157,45.668
PGD: P1.4 U7.28 | length 16
  Top Layer w0.203: U7.28@5.507,45.668 5.512,45.664 5.512,44.104 4.648,43.24 4.648,34.533 5.258,33.923 6.909,33.923 8.183,35.197 P1.4@8.183,35.411
PPS: J5.1 J10.1 P8.1 R21.2 U9.4 | length 57
  Top Layer w0.203: v1(21.387,33.669) 21.565,33.847 24.384,33.847 25.73,35.193 25.73,44.464 25.121,45.074 25.121,49.824 25.121,55.296 24.917,55.499
  Top Layer w0.305: J10.1@20.32,65.176 19.837,64.694 19.837,63.551 20.904,62.484 20.904,59.614 R21.2@20.625,59.334
  Top Layer w0.381: R21.2@20.625,59.334 21.082,59.334 24.917,55.499 J5.1@32.004,55.499
  Bottom Layer w0.203: P8.1@20.371,22.316 20.371,32.653 v1(21.387,33.669) v1@21.438,33.619
RX: P4.4 U10.2 | length 13.3
  Top Layer w0.305: U10.2@4.699,63.007 4.699,55.905 P4.4@9.093,51.511
S\S\: P5.6 P7.1 U7.7 | length 52.9
  Top Layer w0.203: U7.7@9.377,38.738 U7.7@9.407,38.768 9.407,40.217 10.541,41.351 17.374,41.351 18.009,41.986 20.461,41.986 P5.6@20.93,41.518
  Bottom Layer w0.203: P5.6@20.93,41.518 21.641,41.518 22.835,40.324 24.511,40.324 26.213,38.622 26.213,29.834 32.309,23.738 45.72,23.738 46.304,23.154 P7.1@46.304,22.316
SAT: U7.26
SCK/SCL: P5.4 P8.3 U7.22 | length 35.7
  Top Layer w0.203: U7.22@9.407,45.668 9.407,43.958 v1(9.703,43.663)
  Bottom Layer w0.203: v1(9.703,43.663) 10.135,44.094 14.94,44.094 20.057,38.978 P5.4@20.93,38.978 21.641,38.978 22.936,37.683 24.841,37.683 25.375,37.149 25.375,22.392 P8.3@25.451,22.316
SDI/SDA: P5.1 P8.2 U7.21 | length 32.7
  Top Layer w0.203: U7.21@10.057,45.668 10.057,44.426 v1(10.973,43.51) ; v1@10.891,43.429 v1@10.998,43.321
  Bottom Layer w0.203: v1@10.998,43.321 11.416,43.739 14.162,43.739 20.193,37.708 22.2,37.708 P5.1@23.47,36.438 P5.1@23.927,35.981 ; P8.2@22.911,22.316 P5.1@22.911,35.981
SDO: P5.3 P8.4 U7.24 | length 41.1
  Top Layer w0.203: v1(7.671,43.245) 8.107,43.682 U7.24@8.107,45.668
  Bottom Layer w0.203: v1(7.671,43.245) 8.901,44.475 15.062,44.475 19.366,40.172 21.666,40.172 22.86,38.978 P5.3@23.47,38.978 24.714,38.978 25.73,37.962 25.73,28.208 27.991,25.948 P8.4@27.991,22.316 P8.4@27.559,22.747
TX: P4.2 U7.17 | length 12.4
  Top Layer w0.457: P4.2@9.093,56.591 12.657,53.027 U7.17@12.657,45.668
USB_N: J7.2 P9.2 U7.15 | length 28.9
  Top Layer w0.381: J7.2@9.565,71.747 9.565,69.784 10.566,68.783 10.566,67.894 11.201,67.259 11.557,67.259 10.604,66.307 10.604,64.97 11.684,63.89 11.684,56.727 13.942,54.469 13.942,53.478 13.957,53.463 U7.15@13.957,45.668
USB_P: J7.3 P9.3 U7.16 | length 28.9
  Top Layer w0.381: J7.3@8.915,71.747 8.915,69.536 9.931,68.52 9.931,67.894 P9.3@9.296,67.259 ; P9.3@9.373,67.259 P9.3@9.296,67.259 ; U7.16@13.307,45.668 13.307,54.206 11.049,56.464 11.049,63.627 9.97,64.706 9.97,66.307 9.017,67.259 P9.3@9.296,67.259
VAMP: C1.1 C2.1 C10.1 C12.1 C18.1 C20.1 C34.1 C35.1 C40.1 C42.1 C43.1 R33.2 U1.7 U2.7 U3.7 U4.7 U5.3 | length 129
  Top Layer w0.381: v1(45.339,48.793) 45.364,48.819 R33.2@47.041,48.819 ; v1(61.138,56.515) 61.362,56.74 C34.1@61.362,57.582
  Top Layer w0.508: C12.1@35.956,34.559 U3.7@38.066,34.559 ; U1.7@55.198,33.429 55.198,32.051 56.083,31.166 C1.1@57.81,31.166 ; U2.7@57.213,56.453 58.547,56.453 C35.1@59.309,57.215 ; C35.1@59.69,57.596 60.884,57.596 ; U4.7@72.102,35.905 73.766,35.905
  Top Layer w0.762: C2.1@57.81,28.981 C1.1@57.81,30.886 57.81,31.166 57.81,32.225 v2(58.322,32.736) ; 60.884,57.596 C34.1@61.747,57.596 ; C34.1@61.747,57.582 63.538,57.582 U5.3@67.555,53.565 ; v2(69.748,45.364) 69.977,45.364 70.612,45.999 71.298,45.999 C43.1@72.009,45.288 ; C43.1@72.009,46.507 C43.1@72.009,45.288 ; 73.766,35.905 74.451,36.591 77.383,36.591 78.08,37.287 78.08,40.488 77.318,41.25 76.048,41.25 C43.1@72.009,45.288
  Top Layer w0.889: C10.1@33.938,34.279 C12.1@35.361,34.279 C12.1@35.716,34.279 ; C12.1@35.716,34.559 35.956,34.559 36.119,34.722 v2(36.322,34.722) ; C35.1@59.661,57.582 C34.1@61.362,57.582
  Top Layer w1.27: U5.3@67.555,53.565 68.301,52.819 C42.1@68.301,51.107 ; C42.1@68.301,50.599 C42.1@68.301,51.107 ; C43.1@72.009,46.507 72.009,50.571 71.473,51.107 C42.1@68.301,51.107
  Bottom Layer w0.381: v1(45.339,48.793) 53.061,56.515 v1(61.138,56.515)
  Bottom Layer w0.762: v2(36.322,34.722) 44.069,34.722 49.225,39.878 64.262,39.878 ; v2(58.322,32.736) 58.322,33.938 v2(69.748,45.364)
  Bottom Layer w0.889: v2@36.297,34.747 v2(36.322,34.722)
VBUS: R25.1 R26.2 U7.23 | length 29.3
  Top Layer w0.203: U7.23@8.757,45.668 8.725,45.636 8.725,43.283 9.474,42.534 13.208,42.534 14.656,43.982 14.656,60.325 16.84,62.509 R25.1@16.84,63.094
VOSC: C39.1 FB1.2 P2.1 | length 9.6
  Top Layer w1.016: FB1.2@61.036,65.075 62.459,65.075 C39.1@63.525,66.142 63.525,68.123 65.38,69.977 P2.1@65.38,72.023
VUSB: J7.1 P9.1 R25.2 | length 10.1
  Top Layer w0.305: J7.1@10.215,71.747 10.215,70.455 11.354,69.317 12.04,69.317 14.097,67.259 14.707,67.259 R25.2@16.84,65.126
~MCLR: P1.1 U7.1 | length 12.3
  Top Layer w0.203: U7.1@5.507,38.768 5.507,37.763 6.858,36.413 14.801,36.413 P1.1@15.803,35.411
pads on no net: C29.0 C33.0 C42.0 DRL1.0 DRL1.D2m7 DRL2.0 DRL2.D2m7 DRL3.0 DRL3.D2m7 DRL4.0 DRL4.D2m7 F1.0 J2.0 J3.0 J4.0 J6.0 J7.4 J9.0 LED1.0 T1.2 T1.5 T2.2 T2.5 T3.2 T3.5 T4.2 T4.5 T5.2 T5.5 T6.2 T6.5 U1.1 U1.5 U1.8 U2.1 U2.5 U2.8 U3.1 U3.5 U3.8 U4.1 U4.5 U4.8 U6.0 U6.2 U7.4 U7.6 U7.9 U7.10 U7.11 U7.13 U9.0 U9.1 U10.0 U10.1

## Polygon pours and split planes (outlines as drawn)
GND on Top Layer "Top-GND" (solid, remove dead copper, pour order 4): 81.001,21.59 94.971,21.59 ccw(c94.971,24.13) 97.511,24.13 97.511,26.772 97.511,46.025 ccw(c94.971,46.025) 94.971,48.565 85.852,48.565 80.848,48.565 cw(c80.848,51.105) 78.308,51.105 78.308,55.423 78.308,58.318 ccw(c75.768,58.318) 75.768,60.858 70.46,60.858 cw(c70.46,62.459) 68.859,62.459 68.859,72.644 68.859,72.847 ccw(c66.319,72.847) 66.319,75.387 12.497,75.387 3.683,75.387 ccw(c3.696,74.282) 2.591,74.27 2.591,23.393 ccw(c4.661,23.381) 4.648,21.311
GND on Bottom Layer "Top-GND" (solid, pour order 3): 81.011,21.577 94.981,21.577 ccw(c94.981,24.117) 97.521,24.117 97.521,26.759 97.521,46.012 ccw(c94.981,46.012) 94.981,48.552 85.862,48.552 80.858,48.552 cw(c80.858,51.092) 78.318,51.092 78.318,55.41 78.318,58.306 ccw(c75.778,58.306) 75.778,60.846 70.47,60.846 cw(c70.47,62.446) 68.869,62.446 68.869,72.631 68.869,72.835 ccw(c66.329,72.835) 66.329,75.375 12.507,75.375 3.693,75.375 ccw(c3.706,74.27) 2.601,74.257 2.601,23.381 ccw(c4.671,23.368) 4.658,21.298

## Keep-outs
Keep-Out Layer:
  lines w0.152: -0.01,78.892 0,80.239 0,81.142 cw(c1.607,81.142) 1.607,82.749 98.349,82.749 cw(c98.349,81.098) 100,81.098 100,78.954 cw(c97.996,78.954) 97.996,76.95 ccw(c97.996,76.775) 97.821,76.775 97.821,75.848 ccw(c98.002,75.848) 98.002,75.667 cw(c98.002,73.67) 100,73.67 ; 0,3.581 cw(c1.979,3.581) 1.979,5.561 ccw(c1.979,5.739) 2.157,5.739 2.157,6.682 ccw(c1.989,6.682) 1.989,6.85 cw(c1.989,8.839) 0,8.839 0,8.93 0,73.635 ; 0,3.583 0,1.604 ; 0,73.631 cw(c1.981,73.631) 1.981,75.612 ccw(c1.981,75.79) 2.159,75.79 2.159,76.733 ccw(c1.984,76.733) 1.984,76.908 cw(c1.984,78.892) 0,78.892 ; 5.23,5.508 16.764,5.508 ; 5.232,5.501 cw(c5.232,6.148) 4.585,6.148 4.585,6.327 cw(c5.156,6.327) 5.156,6.898 16.662,6.898 ; 16.662,6.891 cw(c16.662,6.148) 17.405,6.148 ; 16.764,5.501 ccw(c16.764,6.148) 17.411,6.148 ; 19.043,6.314 19.043,7.354 cw(c19.736,7.354) 19.736,8.047 28.549,8.047 cw(c28.549,7.38) 29.216,7.38 29.216,7.215 ccw(c29.591,7.215) 29.591,6.84 42.068,6.84 ; 19.043,6.364 ccw(c19.887,6.364) 19.887,5.52 20.148,5.52 41.973,5.52 ; 36.678,76.926 36.714,76.926 ; 39.522,75.627 71.827,75.627 ccw(c71.827,76.287) 72.488,76.287 ccw(c71.827,76.287) 71.827,76.947 39.522,76.947 ; 39.544,75.627 cw(c39.544,76.287) 38.883,76.287 cw(c39.544,76.287) 39.544,76.947 ; 41.973,5.528 ccw(c41.973,6.226) 42.67,6.226 ; 42.068,6.848 cw(c42.068,6.246) 42.67,6.246 ; 44.926,6.32 44.926,7.36 cw(c45.618,7.36) 45.618,8.053 54.432,8.053 cw(c54.432,7.386) 55.098,7.386 55.098,7.221 ccw(c55.474,7.221) 55.474,6.845 68.395,6.845 ; 44.926,6.37 ccw(c45.77,6.37) 45.77,5.526 46.031,5.526 68.299,5.526 ; 68.299,5.534 ccw(c68.299,6.232) 68.997,6.232 68.997,6.251 ccw(c68.395,6.251) 68.395,6.853 ; 70.834,6.294 70.834,7.335 cw(c71.526,7.335) 71.526,8.027 80.34,8.027 cw(c80.34,7.361) 81.006,7.361 81.006,7.195 ccw(c81.382,7.195) 81.382,6.82 94.797,6.82 ; 70.834,6.345 ccw(c71.678,6.345) 71.678,5.501 71.939,5.501 94.702,5.501 ; 75.108,75.632 94.488,75.621 ; 75.108,76.953 94.513,76.953 ; 75.129,75.632 cw(c75.129,76.293) 74.469,76.293 cw(c75.129,76.293) 75.129,76.953 ; 94.484,75.632 ccw(c94.484,76.293) 95.144,76.293 ccw(c94.484,76.293) 94.484,76.953 ; 94.702,5.516 ccw(c94.702,6.214) 95.399,6.214 95.399,6.234 ccw(c94.797,6.234) 94.797,6.836 ; 100,3.583 100,1.6 cw(c98.4,1.6) 98.4,0 1.604,0 cw(c1.604,1.604) 0,1.604 ; 100,3.585 ccw(c98.011,3.585) 98.011,5.574 cw(c98.011,5.742) 97.843,5.742 97.843,6.685 cw(c98.02,6.685) 98.02,6.863 ccw(c98.02,8.843) 100,8.843 100,73.673 ; 0,1.604 ccw(c0,1.604) 0,1.604 ; 36.714,76.926 cw(c36.714,76.327) 37.313,76.327 cw(c36.591,76.327) 36.591,75.605 34.874,75.605 4.322,75.605 cw(c4.322,76.265) 3.662,76.265 cw(c4.322,76.265) 4.322,76.926 36.714,76.926

## Silkscreen, mask and mechanical layers (free items; w line width, h text height)
Top Overlay:
  drawing of 3 lines, arcs and shapes, not listed
  text "+" at 56.515,73.609 h2
  text "+" at 66.904,73.406 h2
  text "PPS" at 16.891,69.926 h1 r90
  text "10Mhz" at 49.479,68.961 h1 r90
  text "TX" at 5.283,55.956 h1 r90
  text "3V3" at 22.376,50.818 h1
  text "RX" at 5.258,50.8 h1 r90
  text "GND" at 16.637,48.452 h1
  text "PPS" at 28.321,47.944 h1
  text "OUT" at 28.55,46.42 h1
  text "K2" at 25.425,46.293 h1
  text "K1" at 17.932,46.09 h1
  text "M10" at 25.273,43.55 h1
  text "ANT" at 16.662,43.525 h1
  text "SS" at 17.577,41.442 h1
  text "OSC" at 25.273,40.985 h1
  text "10M" at 30.937,40.234 h5.08
  text "SCL" at 16.789,39.816 h1
  text "SDO" at 25.273,38.572 h1
  text "x6" at 30.378,37.363 h5.08
  text "SDI" at 25.248,35.905 h1
  text "3V3" at 12.04,32.639 h1
  text "PGC" at 3.912,32.614 h1
  text "PGD" at 7.036,32.588 h1
  text "MCLR" at 15.9,32.588 h1
  text "10M Isolated Dist" at 74.574,31.013 h1.14
  text "V1.1   1822" at 74.625,29.185 h1.14
  text "www.CircuitValley.com" at 74.6,27.33 h1.14
Bottom Overlay:
  drawing of 2 lines, arcs and shapes, not listed
  text "10M in" at 29.667,72.619 h4 r180
  text "PPSin" at 9.093,72.161 h4 r180
  text "10M6" at 87.833,66.777 h4 r180
  text "10M5" at 71.247,66.751 h4 r180
  text "USB" at 5.207,65.303 h10 r180
  text "x6" at 76.048,61.925 h10 r180
  text "PPS1" at 27.076,61.595 h4 r180
  text "TX" at 5.766,55.982 h1 r270
  text "10M" at 76.073,55.626 h12 r180
  text "RX" at 5.944,50.978 h1 r270
  text "www.CircuitValley.com" at 75.006,45.771 h1.14 r180
  text "V1.1   1822" at 74.981,44.196 h1.14 r180
  text "10M Isolated Dist" at 74.676,42.062 h1.14 r180
  text "PPS" at 19.787,24.562 h1 r270
  text "SS" at 45.72,24.46 h1 r270
  text "OSC" at 48.285,24.435 h1 r270
  text "M10" at 53.264,24.435 h1 r270
  text "SDI" at 22.377,24.333 h1 r270
  text "SCL" at 24.917,24.333 h1 r270
  text "3V3" at 76.987,24.333 h1 r270
  text "GND" at 79.451,24.333 h1 r270
  text "ANT" at 50.952,24.282 h1 r270
  text "SDO" at 27.457,24.257 h1 r270
  text "10M3" at 67.031,10.998 h4
  text "10M1" at 15.011,10.973 h4
  text "10M2" at 41.173,10.973 h4
  text "10M4" at 93.04,10.922 h4

## Text inside footprints (layer, text, board x,y; h text height)
P5: Top Overlay "2" at 21.336,34.214 h0.95 r90; Top Overlay "1" at 24.003,34.442 h0.95 r90